# KiCad board panel.opm-inline.kicad_pcb (continued)
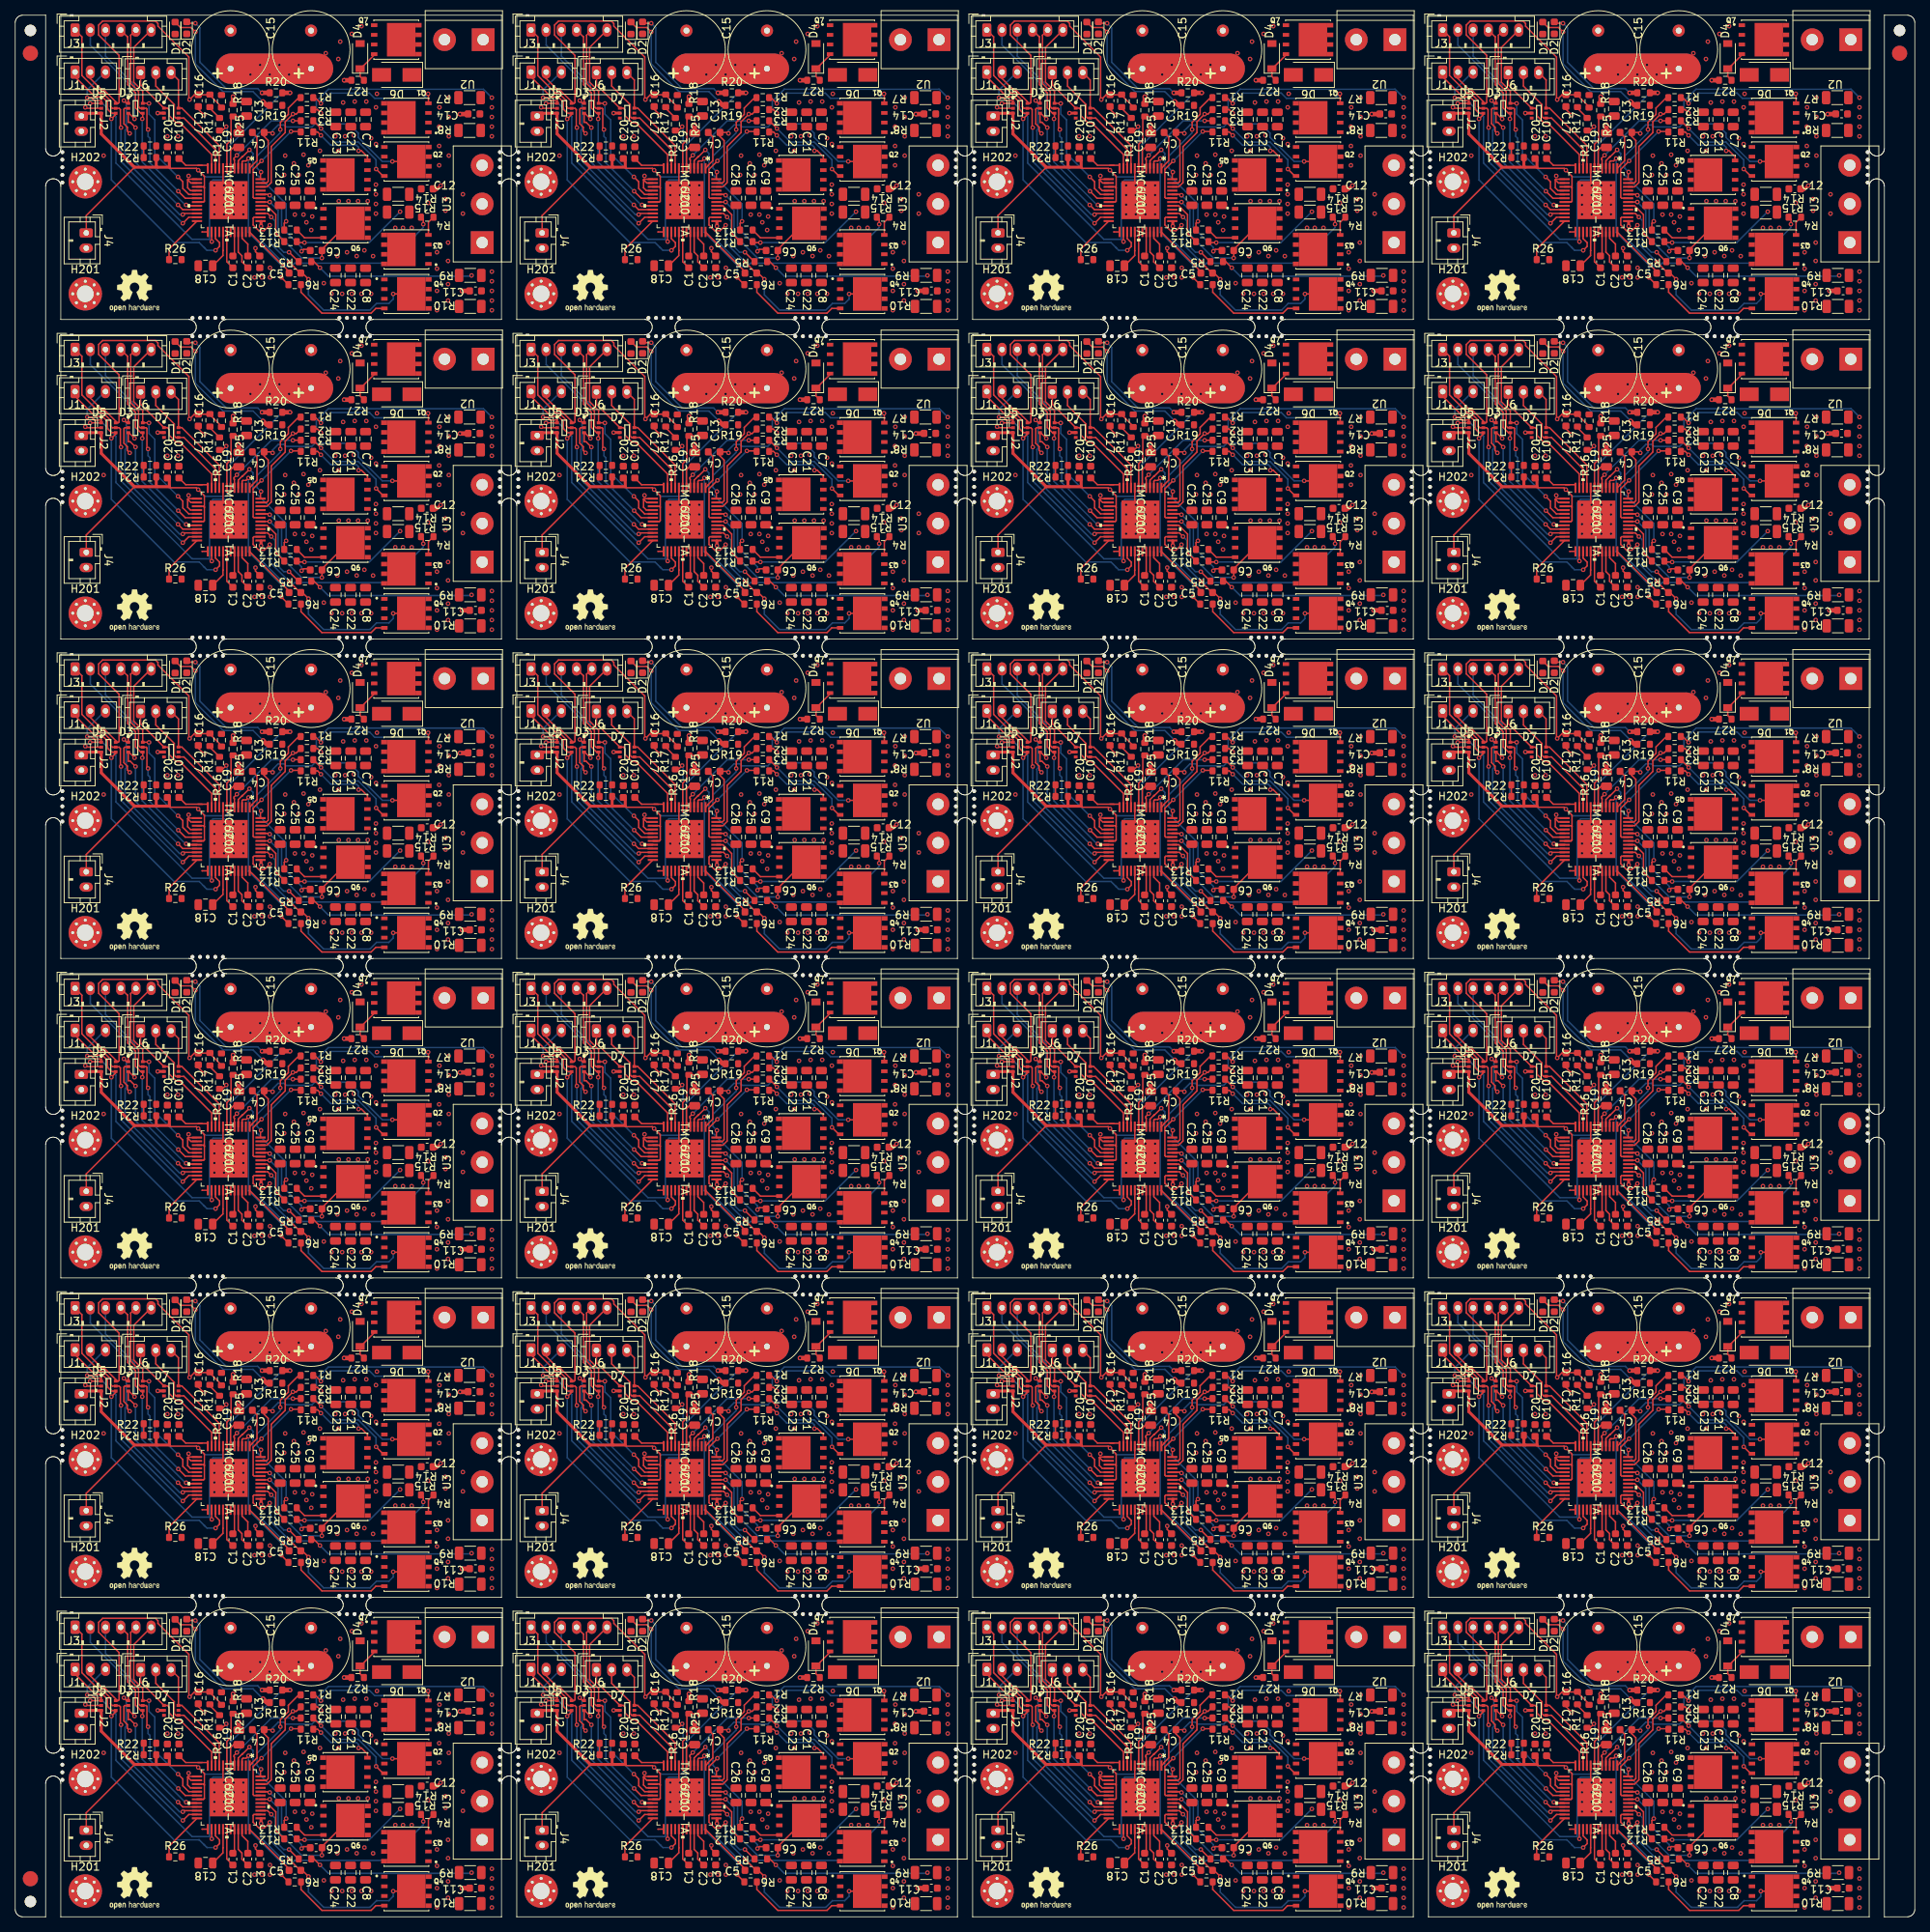
[diagram p0: board, top side]
## Nets (continued)
Board_1-/DRV_EN: D5#2.4 IC1#16.27 J1#15.1
Board_1-/FAULT: D5#2.1 IC1#16.26 J1#15.3 R20#19.2
Board_1-/Motor Driver/VOFS: C10#21.1 IC1#16.12
Board_1-/TEMP_PCB: C17#12.1 D5#2.6 J1#15.2 R17#7.2 R18#6.1
Board_1-/U: C14#4.1 R2#7.1 R7#6.1 R8#7.1 U3#22.3
Board_1-/UH: D3#16.6 IC1#16.17 J3#2.6
Board_1-/UL: D3#16.5 IC1#16.18 J3#2.5
Board_1-/V: C12#24.1 R12#5.1 R14#18.1 R15#22.1 U3#22.2
Board_1-/VH: D3#16.4 IC1#16.20 J3#2.4
Board_1-/VL: D3#16.3 IC1#16.21 J3#2.3
Board_1-/VSA: C18.1 IC1#16.29
Board_1-/W: C11#6.1 R5#22.1 R9#13.1 R10#3.1 U3#22.1
Board_1-/WH: D3#16.1 IC1#16.22 J3#2.2
Board_1-/WL: D5#2.5 IC1#16.23 J3#2.1
Board_1-GND: C3#6.2 C7#22.2 C8#3.2 C9#6.2 C10#21.2 C11#6.2 C12#24.2 C13.2 C14#4.2 C15#21.2 C16#16.2 C17#12.2 C18.2 C19#14.2 C20#7.2 C21#21.2 C22#10.2 C23#24.2 C24#16.2 C25#17.2 C26#10.2 D1#9.1 D2#22.1 D3#16.2 D5#2.2 D6#4.1 D7#21.2 H201#10.1 H202#13.1 IC1#16.8 IC1#16.13 IC1#16.14 IC1#16.16 IC1#16.25 IC1#16.EPAD J2#23.2 J4#18.2 Q2#22.1 Q2#22.2 Q2#22.3 Q4#24.1 Q4#24.2 Q4#24.3 Q6#9.1 Q6#9.2 Q6#9.3 R18#6.2 R22#4.2 R26#13.2 R27#13.2 U2#21.1
Board_1-Net-(C1-Pad1): C1#7.1 IC1#16.30
Board_1-Net-(C1-Pad2): C1#7.2 IC1#16.32
Board_1-Net-(C2-Pad2): C2#6.2 IC1#16.34
Board_1-Net-(C4-Pad1): C4#4.1 IC1#16.47 Q1#3.1 Q1#3.2 Q1#3.3 Q2#22.5 Q2#22.6 Q2#22.7 Q2#22.8 R7#6.2 R8#7.2
Board_1-Net-(C4-Pad2): C4#4.2 IC1#16.1
Board_1-Net-(C5-Pad1): C5#22.1 IC1#16.36
Board_1-Net-(C5-Pad2): C5#22.2 IC1#16.38 Q3#2.1 Q3#2.2 Q3#2.3 Q4#24.5 Q4#24.6 Q4#24.7 Q4#24.8 R9#13.2 R10#3.2
Board_1-Net-(C6-Pad1): C6#9.1 IC1#16.42 Q5#12.1 Q5#12.2 Q5#12.3 Q6#9.5 Q6#9.6 Q6#9.7 Q6#9.8 R14#18.2 R15#22.2
Board_1-Net-(C6-Pad2): C6#9.2 IC1#16.44
Board_1-Net-(D1-Pad2): D1#9.2 R19.1
Board_1-Net-(D2-Pad2): D2#22.2 R20#19.1
Board_1-Net-(D4-Pad1): D4#7.1 Q7#23.4 R27#13.1
Board_1-Net-(D6-Pad2): D6#4.2 Q7#23.5 Q7#23.6 Q7#23.7 Q7#23.8 U2#21.2
Board_1-Net-(IC1-Pad3): IC1#16.3 R6#21.2
Board_1-Net-(IC1-Pad4): IC1#16.4 R13#4.2
Board_1-Net-(IC1-Pad5): IC1#16.5 R3#8.2
Board_1-Net-(IC1-Pad24): IC1#16.24 R26#13.1
Board_1-Net-(IC1-Pad37): IC1#16.37 R4#11.2
Board_1-Net-(IC1-Pad39): IC1#16.39 R5#22.2
Board_1-Net-(IC1-Pad41): IC1#16.41 R12#5.2
Board_1-Net-(IC1-Pad43): IC1#16.43 R11#16.2
Board_1-Net-(IC1-Pad46): IC1#16.46 R2#7.2
Board_1-Net-(IC1-Pad48): IC1#16.48 R1#13.2
Board_1-Net-(Q1-Pad4): Q1#3.4 R1#13.1
Board_1-Net-(Q2-Pad4): Q2#22.4 R3#8.1
Board_1-Net-(Q3-Pad4): Q3#2.4 R4#11.1
Board_1-Net-(Q4-Pad4): Q4#24.4 R6#21.1
Board_1-Net-(Q5-Pad4): Q5#12.4 R11#16.1
Board_1-Net-(Q6-Pad4): Q6#9.4 R13#4.1
Board_1-Net-(R16-Pad2): R16#11.2 R17#7.1
Board_1-unconnected-(D7-Pad3): D7#21.3
Board_1-unconnected-(D7-Pad5): D7#21.5
Board_2-/+VM: C2#9.1 C3#8.1 C7#13.1 C8#11.1 C9#24.1 C15#12.1 C16#7.1 C21#9.1 C22#16.1 C23#22.1 C24#12.1 C25#8.1 C26#5.1 D4.2 IC1#11.33 Q1#22.5 Q1#22.6 Q1#22.7 Q1#22.8 Q3#8.5 Q3#8.6 Q3#8.7 Q3#8.8 Q5#17.5 Q5#17.6 Q5#17.7 Q5#17.8 Q7#7.1 Q7#7.2 Q7#7.3 R25#6.2
Board_2-/ADC_I_u: D7#18.6 IC1#11.9 J6#7.3
Board_2-/ADC_I_v: D7#18.4 IC1#11.10 J6#7.2
Board_2-/ADC_I_w: D7#18.1 IC1#11.11 J6#7.1
Board_2-/Connectors/VOFS: R21#7.2 R22#12.1
Board_2-/DRV_EN: D5#19.4 IC1#11.27 J1#13.1
Board_2-/FAULT: D5#19.1 IC1#11.26 J1#13.3 R20#3.2
Board_2-/Motor Driver/VOFS: C10#15.1 IC1#11.12
Board_2-/TEMP_PCB: C17#22.1 D5#19.6 J1#13.2 R17#2.2 R18#11.1
Board_2-/U: C14#3.1 R2#2.1 R7#12.1 R8#23.1 U3#10.3
Board_2-/UH: D3.6 IC1#11.17 J3#24.6
Board_2-/UL: D3.5 IC1#11.18 J3#24.5
Board_2-/V: C12#9.1 R12#6.1 R14#2.1 R15#21.1 U3#10.2
Board_2-/VH: D3.4 IC1#11.20 J3#24.4
Board_2-/VL: D3.3 IC1#11.21 J3#24.3
Board_2-/VSA: C18#17.1 IC1#11.29
Board_2-/W: C11#24.1 R5#9.1 R9#11.1 R10#20.1 U3#10.1
Board_2-/WH: D3.1 IC1#11.22 J3#24.2
Board_2-/WL: D5#19.5 IC1#11.23 J3#24.1
Board_2-GND: C3#8.2 C7#13.2 C8#11.2 C9#24.2 C10#15.2 C11#24.2 C12#9.2 C13#3.2 C14#3.2 C15#12.2 C16#7.2 C17#22.2 C18#17.2 C19#20.2 C20#16.2 C21#9.2 C22#16.2 C23#22.2 C24#12.2 C25#8.2 C26#5.2 D1#7.1 D2#12.1 D3.2 D5#19.2 D6.1 D7#18.2 H201#15.1 H202#18.1 IC1#11.8 IC1#11.13 IC1#11.14 IC1#11.16 IC1#11.25 IC1#11.EPAD J2#18.2 J4#7.2 Q2#13.1 Q2#13.2 Q2#13.3 Q4#9.1 Q4#9.2 Q4#9.3 Q6#4.1 Q6#4.2 Q6#4.3 R18#11.2 R22#12.2 R26#19.2 R27#16.2 U2#11.1
Board_2-Net-(C1-Pad1): C1#9.1 IC1#11.30
Board_2-Net-(C1-Pad2): C1#9.2 IC1#11.32
Board_2-Net-(C2-Pad2): C2#9.2 IC1#11.34
Board_2-Net-(C4-Pad1): C4#15.1 IC1#11.47 Q1#22.1 Q1#22.2 Q1#22.3 Q2#13.5 Q2#13.6 Q2#13.7 Q2#13.8 R7#12.2 R8#23.2
Board_2-Net-(C4-Pad2): C4#15.2 IC1#11.1
Board_2-Net-(C5-Pad1): C5#6.1 IC1#11.36
Board_2-Net-(C5-Pad2): C5#6.2 IC1#11.38 Q3#8.1 Q3#8.2 Q3#8.3 Q4#9.5 Q4#9.6 Q4#9.7 Q4#9.8 R9#11.2 R10#20.2
Board_2-Net-(C6-Pad1): C6#3.1 IC1#11.42 Q5#17.1 Q5#17.2 Q5#17.3 Q6#4.5 Q6#4.6 Q6#4.7 Q6#4.8 R14#2.2 R15#21.2
Board_2-Net-(C6-Pad2): C6#3.2 IC1#11.44
Board_2-Net-(D1-Pad2): D1#7.2 R19#6.1
Board_2-Net-(D2-Pad2): D2#12.2 R20#3.1
Board_2-Net-(D4-Pad1): D4.1 Q7#7.4 R27#16.1
Board_2-Net-(D6-Pad2): D6.2 Q7#7.5 Q7#7.6 Q7#7.7 Q7#7.8 U2#11.2
Board_2-Net-(IC1-Pad3): IC1#11.3 R6#23.2
Board_2-Net-(IC1-Pad4): IC1#11.4 R13#23.2
Board_2-Net-(IC1-Pad5): IC1#11.5 R3#21.2
Board_2-Net-(IC1-Pad24): IC1#11.24 R26#19.1
Board_2-Net-(IC1-Pad37): IC1#11.37 R4#14.2
Board_2-Net-(IC1-Pad39): IC1#11.39 R5#9.2
Board_2-Net-(IC1-Pad41): IC1#11.41 R12#6.2
Board_2-Net-(IC1-Pad43): IC1#11.43 R11#24.2
Board_2-Net-(IC1-Pad46): IC1#11.46 R2#2.2
Board_2-Net-(IC1-Pad48): IC1#11.48 R1#21.2
Board_2-Net-(Q1-Pad4): Q1#22.4 R1#21.1
Board_2-Net-(Q2-Pad4): Q2#13.4 R3#21.1
Board_2-Net-(Q3-Pad4): Q3#8.4 R4#14.1
Board_2-Net-(Q4-Pad4): Q4#9.4 R6#23.1
Board_2-Net-(Q5-Pad4): Q5#17.4 R11#24.1
Board_2-Net-(Q6-Pad4): Q6#4.4 R13#23.1
Board_2-Net-(R16-Pad2): R16#12.2 R17#2.1
Board_2-unconnected-(D7-Pad3): D7#18.3
Board_2-unconnected-(D7-Pad5): D7#18.5
Board_3-/+VM: C2#7.1 C3#22.1 C7#3.1 C8#19.1 C9#8.1 C15#3.1 C16#15.1 C21#2.1 C22.1 C23#3.1 C24#4.1 C25#12.1 C26#18.1 D4#9.2 IC1#10.33 Q1#19.5 Q1#19.6 Q1#19.7 Q1#19.8 Q3#23.5 Q3#23.6 Q3#23.7 Q3#23.8 Q5#23.5 Q5#23.6 Q5#23.7 Q5#23.8 Q7#17.1 Q7#17.2 Q7#17.3 R25#4.2
Board_3-/ADC_I_u: D7#3.6 IC1#10.9 J6#16.3
Board_3-/ADC_I_v: D7#3.4 IC1#10.10 J6#16.2
Board_3-/ADC_I_w: D7#3.1 IC1#10.11 J6#16.1
Board_3-/Connectors/VOFS: R21#18.2 R22#3.1
Board_3-/DRV_EN: D5#3.4 IC1#10.27 J1#5.1
Board_3-/FAULT: D5#3.1 IC1#10.26 J1#5.3 R20#20.2
Board_3-/Motor Driver/VOFS: C10#12.1 IC1#10.12
Board_3-/TEMP_PCB: C17#15.1 D5#3.6 J1#5.2 R17.2 R18#14.1
Board_3-/U: C14#15.1 R2#12.1 R7#9.1 R8#16.1 U3#12.3
Board_3-/UH: D3#5.6 IC1#10.17 J3#19.6
Board_3-/UL: D3#5.5 IC1#10.18 J3#19.5
Board_3-/V: C12#8.1 R12#20.1 R14#17.1 R15#18.1 U3#12.2
Board_3-/VH: D3#5.4 IC1#10.20 J3#19.4
Board_3-/VL: D3#5.3 IC1#10.21 J3#19.3
Board_3-/VSA: C18#6.1 IC1#10.29
Board_3-/W: C11#22.1 R5#8.1 R9#18.1 R10#23.1 U3#12.1
Board_3-/WH: D3#5.1 IC1#10.22 J3#19.2
Board_3-/WL: D5#3.5 IC1#10.23 J3#19.1
Board_3-GND: C3#22.2 C7#3.2 C8#19.2 C9#8.2 C10#12.2 C11#22.2 C12#8.2 C13#11.2 C14#15.2 C15#3.2 C16#15.2 C17#15.2 C18#6.2 C19#22.2 C20#8.2 C21#2.2 C22.2 C23#3.2 C24#4.2 C25#12.2 C26#18.2 D1#23.1 D2#5.1 D3#5.2 D5#3.2 D6#22.1 D7#3.2 H201#14.1 H202#16.1 IC1#10.8 IC1#10.13 IC1#10.14 IC1#10.16 IC1#10.25 IC1#10.EPAD J2#7.2 J4#16.2 Q2#19.1 Q2#19.2 Q2#19.3 Q4#4.1 Q4#4.2 Q4#4.3 Q6#5.1 Q6#5.2 Q6#5.3 R18#14.2 R22#3.2 R26#16.2 R27#5.2 U2#14.1
Board_3-Net-(C1-Pad1): C1#23.1 IC1#10.30
Board_3-Net-(C1-Pad2): C1#23.2 IC1#10.32
Board_3-Net-(C2-Pad2): C2#7.2 IC1#10.34
Board_3-Net-(C4-Pad1): C4#6.1 IC1#10.47 Q1#19.1 Q1#19.2 Q1#19.3 Q2#19.5 Q2#19.6 Q2#19.7 Q2#19.8 R7#9.2 R8#16.2
Board_3-Net-(C4-Pad2): C4#6.2 IC1#10.1
Board_3-Net-(C5-Pad1): C5#3.1 IC1#10.36
Board_3-Net-(C5-Pad2): C5#3.2 IC1#10.38 Q3#23.1 Q3#23.2 Q3#23.3 Q4#4.5 Q4#4.6 Q4#4.7 Q4#4.8 R9#18.2 R10#23.2
Board_3-Net-(C6-Pad1): C6#8.1 IC1#10.42 Q5#23.1 Q5#23.2 Q5#23.3 Q6#5.5 Q6#5.6 Q6#5.7 Q6#5.8 R14#17.2 R15#18.2
Board_3-Net-(C6-Pad2): C6#8.2 IC1#10.44
Board_3-Net-(D1-Pad2): D1#23.2 R19#3.1
Board_3-Net-(D2-Pad2): D2#5.2 R20#20.1
Board_3-Net-(D4-Pad1): D4#9.1 Q7#17.4 R27#5.1
Board_3-Net-(D6-Pad2): D6#22.2 Q7#17.5 Q7#17.6 Q7#17.7 Q7#17.8 U2#14.2
Board_3-Net-(IC1-Pad3): IC1#10.3 R6#19.2
Board_3-Net-(IC1-Pad4): IC1#10.4 R13#17.2
Board_3-Net-(IC1-Pad5): IC1#10.5 R3#4.2
Board_3-Net-(IC1-Pad24): IC1#10.24 R26#16.1
Board_3-Net-(IC1-Pad37): IC1#10.37 R4.2
Board_3-Net-(IC1-Pad39): IC1#10.39 R5#8.2
Board_3-Net-(IC1-Pad41): IC1#10.41 R12#20.2
Board_3-Net-(IC1-Pad43): IC1#10.43 R11#18.2
Board_3-Net-(IC1-Pad46): IC1#10.46 R2#12.2
Board_3-Net-(IC1-Pad48): IC1#10.48 R1#16.2
Board_3-Net-(Q1-Pad4): Q1#19.4 R1#16.1
Board_3-Net-(Q2-Pad4): Q2#19.4 R3#4.1
Board_3-Net-(Q3-Pad4): Q3#23.4 R4.1
Board_3-Net-(Q4-Pad4): Q4#4.4 R6#19.1
Board_3-Net-(Q5-Pad4): Q5#23.4 R11#18.1
Board_3-Net-(Q6-Pad4): Q6#5.4 R13#17.1
Board_3-Net-(R16-Pad2): R16#3.2 R17.1
Board_3-unconnected-(D7-Pad3): D7#3.3
Board_3-unconnected-(D7-Pad5): D7#3.5
Board_4-/+VM: C2#10.1 C3.1 C7#16.1 C8#24.1 C9#23.1 C15.1 C16#14.1 C21#22.1 C22#2.1 C23#6.1 C24#13.1 C25#20.1 C26#16.1 D4#22.2 IC1#12.33 Q1#10.5 Q1#10.6 Q1#10.7 Q1#10.8 Q3#12.5 Q3#12.6 Q3#12.7 Q3#12.8 Q5#2.5 Q5#2.6 Q5#2.7 Q5#2.8 Q7#13.1 Q7#13.2 Q7#13.3 R25#10.2
Board_4-/ADC_I_u: D7#12.6 IC1#12.9 J6#5.3
Board_4-/ADC_I_v: D7#12.4 IC1#12.10 J6#5.2
Board_4-/ADC_I_w: D7#12.1 IC1#12.11 J6#5.1
Board_4-/Connectors/VOFS: R21#17.2 R22#23.1
Board_4-/DRV_EN: D5#22.4 IC1#12.27 J1#7.1
Board_4-/FAULT: D5#22.1 IC1#12.26 J1#7.3 R20#7.2
Board_4-/Motor Driver/VOFS: C10#20.1 IC1#12.12
Board_4-/TEMP_PCB: C17#18.1 D5#22.6 J1#7.2 R17#14.2 R18#15.1
Board_4-/U: C14#24.1 R2#24.1 R7#3.1 R8#11.1 U3#24.3
Board_4-/UH: D3#3.6 IC1#12.17 J3#22.6
Board_4-/UL: D3#3.5 IC1#12.18 J3#22.5
Board_4-/V: C12#17.1 R12#10.1 R14#10.1 R15#7.1 U3#24.2
Board_4-/VH: D3#3.4 IC1#12.20 J3#22.4
Board_4-/VL: D3#3.3 IC1#12.21 J3#22.3
Board_4-/VSA: C18#23.1 IC1#12.29
Board_4-/W: C11#3.1 R5#11.1 R9#12.1 R10#24.1 U3#24.1
Board_4-/WH: D3#3.1 IC1#12.22 J3#22.2
Board_4-/WL: D5#22.5 IC1#12.23 J3#22.1
Board_4-GND: C3.2 C7#16.2 C8#24.2 C9#23.2 C10#20.2 C11#3.2 C12#17.2 C13#18.2 C14#24.2 C15.2 C16#14.2 C17#18.2 C18#23.2 C19#6.2 C20#15.2 C21#22.2 C22#2.2 C23#6.2 C24#13.2 C25#20.2 C26#16.2 D1#3.1 D2#17.1 D3#3.2 D5#22.2 D6#21.1 D7#12.2 H201#2.1 H202#21.1 IC1#12.8 IC1#12.13 IC1#12.14 IC1#12.16 IC1#12.25 IC1#12.EPAD J2#3.2 J4#17.2 Q2#20.1 Q2#20.2 Q2#20.3 Q4#23.1 Q4#23.2 Q4#23.3 Q6#15.1 Q6#15.2 Q6#15.3 R18#15.2 R22#23.2 R26.2 R27#8.2 U2#24.1
Board_4-Net-(C1-Pad1): C1.1 IC1#12.30
Board_4-Net-(C1-Pad2): C1.2 IC1#12.32
Board_4-Net-(C2-Pad2): C2#10.2 IC1#12.34
Board_4-Net-(C4-Pad1): C4#22.1 IC1#12.47 Q1#10.1 Q1#10.2 Q1#10.3 Q2#20.5 Q2#20.6 Q2#20.7 Q2#20.8 R7#3.2 R8#11.2
Board_4-Net-(C4-Pad2): C4#22.2 IC1#12.1
Board_4-Net-(C5-Pad1): C5.1 IC1#12.36
Board_4-Net-(C5-Pad2): C5.2 IC1#12.38 Q3#12.1 Q3#12.2 Q3#12.3 Q4#23.5 Q4#23.6 Q4#23.7 Q4#23.8 R9#12.2 R10#24.2
Board_4-Net-(C6-Pad1): C6#15.1 IC1#12.42 Q5#2.1 Q5#2.2 Q5#2.3 Q6#15.5 Q6#15.6 Q6#15.7 Q6#15.8 R14#10.2 R15#7.2
Board_4-Net-(C6-Pad2): C6#15.2 IC1#12.44
Board_4-Net-(D1-Pad2): D1#3.2 R19#22.1
Board_4-Net-(D2-Pad2): D2#17.2 R20#7.1
Board_4-Net-(D4-Pad1): D4#22.1 Q7#13.4 R27#8.1
Board_4-Net-(D6-Pad2): D6#21.2 Q7#13.5 Q7#13.6 Q7#13.7 Q7#13.8 U2#24.2
Board_4-Net-(IC1-Pad3): IC1#12.3 R6#10.2
Board_4-Net-(IC1-Pad4): IC1#12.4 R13#18.2
Board_4-Net-(IC1-Pad5): IC1#12.5 R3#15.2
Board_4-Net-(IC1-Pad24): IC1#12.24 R26.1
Board_4-Net-(IC1-Pad37): IC1#12.37 R4#9.2
Board_4-Net-(IC1-Pad39): IC1#12.39 R5#11.2
Board_4-Net-(IC1-Pad41): IC1#12.41 R12#10.2
Board_4-Net-(IC1-Pad43): IC1#12.43 R11#13.2
Board_4-Net-(IC1-Pad46): IC1#12.46 R2#24.2
Board_4-Net-(IC1-Pad48): IC1#12.48 R1#14.2
Board_4-Net-(Q1-Pad4): Q1#10.4 R1#14.1
Board_4-Net-(Q2-Pad4): Q2#20.4 R3#15.1
Board_4-Net-(Q3-Pad4): Q3#12.4 R4#9.1
Board_4-Net-(Q4-Pad4): Q4#23.4 R6#10.1
Board_4-Net-(Q5-Pad4): Q5#2.4 R11#13.1
Board_4-Net-(Q6-Pad4): Q6#15.4 R13#18.1
Board_4-Net-(R16-Pad2): R16.2 R17#14.1
Board_4-unconnected-(D7-Pad3): D7#12.3
Board_4-unconnected-(D7-Pad5): D7#12.5
Board_5-/+VM: C2#4.1 C3#10.1 C7#12.1 C8#6.1 C9#9.1 C15#16.1 C16.1 C21#14.1 C22#5.1 C23#13.1 C24#2.1 C25#10.1 C26#4.1 D4#18.2 IC1#7.33 Q1#2.5 Q1#2.6 Q1#2.7 Q1#2.8 Q3#16.5 Q3#16.6 Q3#16.7 Q3#16.8 Q5#7.5 Q5#7.6 Q5#7.7 Q5#7.8 Q7#18.1 Q7#18.2 Q7#18.3 R25#5.2
Board_5-/ADC_I_u: D7#4.6 IC1#7.9 J6#12.3
Board_5-/ADC_I_v: D7#4.4 IC1#7.10 J6#12.2
Board_5-/ADC_I_w: D7#4.1 IC1#7.11 J6#12.1
Board_5-/Connectors/VOFS: R21#5.2 R22#14.1
Board_5-/DRV_EN: D5#21.4 IC1#7.27 J1#14.1
Board_5-/FAULT: D5#21.1 IC1#7.26 J1#14.3 R20#11.2
Board_5-/Motor Driver/VOFS: C10#7.1 IC1#7.12
Board_5-/TEMP_PCB: C17#7.1 D5#21.6 J1#14.2 R17#24.2 R18#12.1
Board_5-/U: C14#19.1 R2#15.1 R7#4.1 R8#24.1 U3#7.3
Board_5-/UH: D3#22.6 IC1#7.17 J3#11.6
Board_5-/UL: D3#22.5 IC1#7.18 J3#11.5
Board_5-/V: C12#6.1 R12#19.1 R14#12.1 R15#8.1 U3#7.2
Board_5-/VH: D3#22.4 IC1#7.20 J3#11.4
Board_5-/VL: D3#22.3 IC1#7.21 J3#11.3
Board_5-/VSA: C18#21.1 IC1#7.29
Board_5-/W: C11#8.1 R5#7.1 R9#21.1 R10#5.1 U3#7.1
Board_5-/WH: D3#22.1 IC1#7.22 J3#11.2
Board_5-/WL: D5#21.5 IC1#7.23 J3#11.1
Board_5-GND: C3#10.2 C7#12.2 C8#6.2 C9#9.2 C10#7.2 C11#8.2 C12#6.2 C13#14.2 C14#19.2 C15#16.2 C16.2 C17#7.2 C18#21.2 C19#21.2 C20#22.2 C21#14.2 C22#5.2 C23#13.2 C24#2.2 C25#10.2 C26#4.2 D1#12.1 D2#11.1 D3#22.2 D5#21.2 D6#3.1 D7#4.2 H201#5.1 H202#3.1 IC1#7.8 IC1#7.13 IC1#7.14 IC1#7.16 IC1#7.25 IC1#7.EPAD J2#17.2 J4#15.2 Q2#24.1 Q2#24.2 Q2#24.3 Q4#11.1 Q4#11.2 Q4#11.3 Q6#2.1 Q6#2.2 Q6#2.3 R18#12.2 R22#14.2 R26#10.2 R27#15.2 U2#19.1
Board_5-Net-(C1-Pad1): C1#2.1 IC1#7.30
Board_5-Net-(C1-Pad2): C1#2.2 IC1#7.32
Board_5-Net-(C2-Pad2): C2#4.2 IC1#7.34
Board_5-Net-(C4-Pad1): C4#16.1 IC1#7.47 Q1#2.1 Q1#2.2 Q1#2.3 Q2#24.5 Q2#24.6 Q2#24.7 Q2#24.8 R7#4.2 R8#24.2
Board_5-Net-(C4-Pad2): C4#16.2 IC1#7.1
Board_5-Net-(C5-Pad1): C5#17.1 IC1#7.36
Board_5-Net-(C5-Pad2): C5#17.2 IC1#7.38 Q3#16.1 Q3#16.2 Q3#16.3 Q4#11.5 Q4#11.6 Q4#11.7 Q4#11.8 R9#21.2 R10#5.2
Board_5-Net-(C6-Pad1): C6#20.1 IC1#7.42 Q5#7.1 Q5#7.2 Q5#7.3 Q6#2.5 Q6#2.6 Q6#2.7 Q6#2.8 R14#12.2 R15#8.2
Board_5-Net-(C6-Pad2): C6#20.2 IC1#7.44
Board_5-Net-(D1-Pad2): D1#12.2 R19#16.1
Board_5-Net-(D2-Pad2): D2#11.2 R20#11.1
Board_5-Net-(D4-Pad1): D4#18.1 Q7#18.4 R27#15.1
Board_5-Net-(D6-Pad2): D6#3.2 Q7#18.5 Q7#18.6 Q7#18.7 Q7#18.8 U2#19.2
Board_5-Net-(IC1-Pad3): IC1#7.3 R6#9.2
Board_5-Net-(IC1-Pad4): IC1#7.4 R13#2.2
Board_5-Net-(IC1-Pad5): IC1#7.5 R3#2.2
Board_5-Net-(IC1-Pad24): IC1#7.24 R26#10.1
Board_5-Net-(IC1-Pad37): IC1#7.37 R4#21.2
Board_5-Net-(IC1-Pad39): IC1#7.39 R5#7.2
Board_5-Net-(IC1-Pad41): IC1#7.41 R12#19.2
Board_5-Net-(IC1-Pad43): IC1#7.43 R11#22.2
Board_5-Net-(IC1-Pad46): IC1#7.46 R2#15.2
Board_5-Net-(IC1-Pad48): IC1#7.48 R1#4.2
Board_5-Net-(Q1-Pad4): Q1#2.4 R1#4.1
Board_5-Net-(Q2-Pad4): Q2#24.4 R3#2.1
Board_5-Net-(Q3-Pad4): Q3#16.4 R4#21.1
Board_5-Net-(Q4-Pad4): Q4#11.4 R6#9.1
Board_5-Net-(Q5-Pad4): Q5#7.4 R11#22.1
Board_5-Net-(Q6-Pad4): Q6#2.4 R13#2.1
Board_5-Net-(R16-Pad2): R16#7.2 R17#24.1
Board_5-unconnected-(D7-Pad3): D7#4.3
Board_5-unconnected-(D7-Pad5): D7#4.5
Board_6-/+VM: C2#14.1 C3#4.1 C7#5.1 C8#10.1 C9#3.1 C15#19.1 C16#5.1 C21#3.1 C22#4.1 C23#14.1 C24#11.1 C25#11.1 C26#17.1 D4#15.2 IC1#5.33 Q1#24.5 Q1#24.6 Q1#24.7 Q1#24.8 Q3#5.5 Q3#5.6 Q3#5.7 Q3#5.8 Q5#18.5 Q5#18.6 Q5#18.7 Q5#18.8 Q7#24.1 Q7#24.2 Q7#24.3 R25#15.2
Board_6-/ADC_I_u: D7#6.6 IC1#5.9 J6#20.3
Board_6-/ADC_I_v: D7#6.4 IC1#5.10 J6#20.2
Board_6-/ADC_I_w: D7#6.1 IC1#5.11 J6#20.1
Board_6-/Connectors/VOFS: R21#21.2 R22#21.1
Board_6-/DRV_EN: D5#10.4 IC1#5.27 J1#18.1
Board_6-/FAULT: D5#10.1 IC1#5.26 J1#18.3 R20#5.2
Board_6-/Motor Driver/VOFS: C10#23.1 IC1#5.12
Board_6-/TEMP_PCB: C17#10.1 D5#10.6 J1#18.2 R17#18.2 R18#23.1
Board_6-/U: C14#9.1 R2#3.1 R7#15.1 R8#2.1 U3#14.3
Board_6-/UH: D3#23.6 IC1#5.17 J3#15.6
Board_6-/UL: D3#23.5 IC1#5.18 J3#15.5
Board_6-/V: C12#21.1 R12#21.1 R14#13.1 R15#13.1 U3#14.2
Board_6-/VH: D3#23.4 IC1#5.20 J3#15.4
Board_6-/VL: D3#23.3 IC1#5.21 J3#15.3
Board_6-/VSA: C18#15.1 IC1#5.29
Board_6-/W: C11#10.1 R5#15.1 R9#7.1 R10#14.1 U3#14.1
Board_6-/WH: D3#23.1 IC1#5.22 J3#15.2
Board_6-/WL: D5#10.5 IC1#5.23 J3#15.1
Board_6-GND: C3#4.2 C7#5.2 C8#10.2 C9#3.2 C10#23.2 C11#10.2 C12#21.2 C13#17.2 C14#9.2 C15#19.2 C16#5.2 C17#10.2 C18#15.2 C19#5.2 C20#20.2 C21#3.2 C22#4.2 C23#14.2 C24#11.2 C25#11.2 C26#17.2 D1#22.1 D2#10.1 D3#23.2 D5#10.2 D6#10.1 D7#6.2 H201.1 H202#2.1 IC1#5.8 IC1#5.13 IC1#5.14 IC1#5.16 IC1#5.25 IC1#5.EPAD J2#2.2 J4#21.2 Q2#4.1 Q2#4.2 Q2#4.3 Q4#17.1 Q4#17.2 Q4#17.3 Q6#17.1 Q6#17.2 Q6#17.3 R18#23.2 R22#21.2 R26#8.2 R27#6.2 U2#16.1
Board_6-Net-(C1-Pad1): C1#16.1 IC1#5.30
Board_6-Net-(C1-Pad2): C1#16.2 IC1#5.32
Board_6-Net-(C2-Pad2): C2#14.2 IC1#5.34
Board_6-Net-(C4-Pad1): C4#11.1 IC1#5.47 Q1#24.1 Q1#24.2 Q1#24.3 Q2#4.5 Q2#4.6 Q2#4.7 Q2#4.8 R7#15.2 R8#2.2
Board_6-Net-(C4-Pad2): C4#11.2 IC1#5.1
Board_6-Net-(C5-Pad1): C5#18.1 IC1#5.36
Board_6-Net-(C5-Pad2): C5#18.2 IC1#5.38 Q3#5.1 Q3#5.2 Q3#5.3 Q4#17.5 Q4#17.6 Q4#17.7 Q4#17.8 R9#7.2 R10#14.2
Board_6-Net-(C6-Pad1): C6#11.1 IC1#5.42 Q5#18.1 Q5#18.2 Q5#18.3 Q6#17.5 Q6#17.6 Q6#17.7 Q6#17.8 R14#13.2 R15#13.2
Board_6-Net-(C6-Pad2): C6#11.2 IC1#5.44
Board_6-Net-(D1-Pad2): D1#22.2 R19#11.1
Board_6-Net-(D2-Pad2): D2#10.2 R20#5.1
Board_6-Net-(D4-Pad1): D4#15.1 Q7#24.4 R27#6.1
Board_6-Net-(D6-Pad2): D6#10.2 Q7#24.5 Q7#24.6 Q7#24.7 Q7#24.8 U2#16.2
Board_6-Net-(IC1-Pad3): IC1#5.3 R6#8.2
Board_6-Net-(IC1-Pad4): IC1#5.4 R13#10.2
Board_6-Net-(IC1-Pad5): IC1#5.5 R3#22.2
Board_6-Net-(IC1-Pad24): IC1#5.24 R26#8.1
Board_6-Net-(IC1-Pad37): IC1#5.37 R4#20.2
Board_6-Net-(IC1-Pad39): IC1#5.39 R5#15.2
Board_6-Net-(IC1-Pad41): IC1#5.41 R12#21.2
Board_6-Net-(IC1-Pad43): IC1#5.43 R11#11.2
Board_6-Net-(IC1-Pad46): IC1#5.46 R2#3.2
Board_6-Net-(IC1-Pad48): IC1#5.48 R1#12.2
Board_6-Net-(Q1-Pad4): Q1#24.4 R1#12.1
Board_6-Net-(Q2-Pad4): Q2#4.4 R3#22.1
Board_6-Net-(Q3-Pad4): Q3#5.4 R4#20.1
Board_6-Net-(Q4-Pad4): Q4#17.4 R6#8.1
Board_6-Net-(Q5-Pad4): Q5#18.4 R11#11.1
Board_6-Net-(Q6-Pad4): Q6#17.4 R13#10.1
Board_6-Net-(R16-Pad2): R16#22.2 R17#18.1
Board_6-unconnected-(D7-Pad3): D7#6.3
Board_6-unconnected-(D7-Pad5): D7#6.5
Board_7-/+VM: C2#15.1 C3#12.1 C7#6.1 C8#20.1 C9#19.1 C15#4.1 C16#9.1 C21#8.1 C22#12.1 C23#9.1 C24#24.1 C25#21.1 C26#21.1 D4#20.2 IC1#6.33 Q1#13.5 Q1#13.6 Q1#13.7 Q1#13.8 Q3#22.5 Q3#22.6 Q3#22.7 Q3#22.8 Q5#5.5 Q5#5.6 Q5#5.7 Q5#5.8 Q7#11.1 Q7#11.2 Q7#11.3 R25#12.2
Board_7-/ADC_I_u: D7#13.6 IC1#6.9 J6#13.3
Board_7-/ADC_I_v: D7#13.4 IC1#6.10 J6#13.2
Board_7-/ADC_I_w: D7#13.1 IC1#6.11 J6#13.1
Board_7-/Connectors/VOFS: R21#3.2 R22.1
Board_7-/DRV_EN: D5#7.4 IC1#6.27 J1#19.1
Board_7-/FAULT: D5#7.1 IC1#6.26 J1#19.3 R20#8.2
Board_7-/Motor Driver/VOFS: C10#14.1 IC1#6.12
Board_7-/TEMP_PCB: C17#19.1 D5#7.6 J1#19.2 R17#8.2 R18#8.1
Board_7-/U: C14#8.1 R2#16.1 R7#13.1 R8#8.1 U3#16.3
Board_7-/UH: D3#17.6 IC1#6.17 J3#17.6
Board_7-/UL: D3#17.5 IC1#6.18 J3#17.5
Board_7-/V: C12#16.1 R12#23.1 R14#15.1 R15#14.1 U3#16.2
Board_7-/VH: D3#17.4 IC1#6.20 J3#17.4
Board_7-/VL: D3#17.3 IC1#6.21 J3#17.3
Board_7-/VSA: C18#3.1 IC1#6.29
Board_7-/W: C11#15.1 R5#24.1 R9#15.1 R10#7.1 U3#16.1
Board_7-/WH: D3#17.1 IC1#6.22 J3#17.2
Board_7-/WL: D5#7.5 IC1#6.23 J3#17.1
Board_7-GND: C3#12.2 C7#6.2 C8#20.2 C9#19.2 C10#14.2 C11#15.2 C12#16.2 C13#22.2 C14#8.2 C15#4.2 C16#9.2 C17#19.2 C18#3.2 C19#11.2 C20.2 C21#8.2 C22#12.2 C23#9.2 C24#24.2 C25#21.2 C26#21.2 D1#5.1 D2#20.1 D3#17.2 D5#7.2 D6#6.1 D7#13.2 H201#8.1 H202#12.1 IC1#6.8 IC1#6.13 IC1#6.14 IC1#6.16 IC1#6.25 IC1#6.EPAD J2#13.2 J4#14.2 Q2#7.1 Q2#7.2 Q2#7.3 Q4#5.1 Q4#5.2 Q4#5.3 Q6#8.1 Q6#8.2 Q6#8.3 R18#8.2 R22.2 R26#18.2 R27#3.2 U2#8.1
Board_7-Net-(C1-Pad1): C1#6.1 IC1#6.30
Board_7-Net-(C1-Pad2): C1#6.2 IC1#6.32
Board_7-Net-(C2-Pad2): C2#15.2 IC1#6.34
Board_7-Net-(C4-Pad1): C4#23.1 IC1#6.47 Q1#13.1 Q1#13.2 Q1#13.3 Q2#7.5 Q2#7.6 Q2#7.7 Q2#7.8 R7#13.2 R8#8.2
Board_7-Net-(C4-Pad2): C4#23.2 IC1#6.1
Board_7-Net-(C5-Pad1): C5#23.1 IC1#6.36
Board_7-Net-(C5-Pad2): C5#23.2 IC1#6.38 Q3#22.1 Q3#22.2 Q3#22.3 Q4#5.5 Q4#5.6 Q4#5.7 Q4#5.8 R9#15.2 R10#7.2
Board_7-Net-(C6-Pad1): C6#14.1 IC1#6.42 Q5#5.1 Q5#5.2 Q5#5.3 Q6#8.5 Q6#8.6 Q6#8.7 Q6#8.8 R14#15.2 R15#14.2
Board_7-Net-(C6-Pad2): C6#14.2 IC1#6.44
Board_7-Net-(D1-Pad2): D1#5.2 R19#17.1
Board_7-Net-(D2-Pad2): D2#20.2 R20#8.1
Board_7-Net-(D4-Pad1): D4#20.1 Q7#11.4 R27#3.1
Board_7-Net-(D6-Pad2): D6#6.2 Q7#11.5 Q7#11.6 Q7#11.7 Q7#11.8 U2#8.2
Board_7-Net-(IC1-Pad3): IC1#6.3 R6#7.2
Board_7-Net-(IC1-Pad4): IC1#6.4 R13#8.2
Board_7-Net-(IC1-Pad5): IC1#6.5 R3#7.2
Board_7-Net-(IC1-Pad24): IC1#6.24 R26#18.1
Board_7-Net-(IC1-Pad37): IC1#6.37 R4#8.2
Board_7-Net-(IC1-Pad39): IC1#6.39 R5#24.2
Board_7-Net-(IC1-Pad41): IC1#6.41 R12#23.2
Board_7-Net-(IC1-Pad43): IC1#6.43 R11#6.2
Board_7-Net-(IC1-Pad46): IC1#6.46 R2#16.2
Board_7-Net-(IC1-Pad48): IC1#6.48 R1#23.2
Board_7-Net-(Q1-Pad4): Q1#13.4 R1#23.1
Board_7-Net-(Q2-Pad4): Q2#7.4 R3#7.1
Board_7-Net-(Q3-Pad4): Q3#22.4 R4#8.1
Board_7-Net-(Q4-Pad4): Q4#5.4 R6#7.1
Board_7-Net-(Q5-Pad4): Q5#5.4 R11#6.1
Board_7-Net-(Q6-Pad4): Q6#8.4 R13#8.1
Board_7-Net-(R16-Pad2): R16#20.2 R17#8.1
Board_7-unconnected-(D7-Pad3): D7#13.3
Board_7-unconnected-(D7-Pad5): D7#13.5
Board_8-/+VM: C2#8.1 C3#18.1 C7#15.1 C8#14.1 C9#18.1 C15#9.1 C16#13.1 C21#11.1 C22#6.1 C23.1 C24#22.1 C25#14.1 C26#12.1 D4#5.2 IC1#23.33 Q1#8.5 Q1#8.6 Q1#8.7 Q1#8.8 Q3#17.5 Q3#17.6 Q3#17.7 Q3#17.8 Q5#3.5 Q5#3.6 Q5#3.7 Q5#3.8 Q7#14.1 Q7#14.2 Q7#14.3 R25#8.2
Board_8-/ADC_I_u: D7#16.6 IC1#23.9 J6#14.3
Board_8-/ADC_I_v: D7#16.4 IC1#23.10 J6#14.2
Board_8-/ADC_I_w: D7#16.1 IC1#23.11 J6#14.1
Board_8-/Connectors/VOFS: R21#24.2 R22#16.1
Board_8-/DRV_EN: D5#24.4 IC1#23.27 J1#11.1
Board_8-/FAULT: D5#24.1 IC1#23.26 J1#11.3 R20#13.2
Board_8-/Motor Driver/VOFS: C10.1 IC1#23.12
Board_8-/TEMP_PCB: C17.1 D5#24.6 J1#11.2 R17#9.2 R18#13.1
Board_8-/U: C14#2.1 R2#22.1 R7#5.1 R8#14.1 U3#13.3
Board_8-/UH: D3#8.6 IC1#23.17 J3#16.6
Board_8-/UL: D3#8.5 IC1#23.18 J3#16.5
Board_8-/V: C12.1 R12#12.1 R14#3.1 R15#4.1 U3#13.2
Board_8-/VH: D3#8.4 IC1#23.20 J3#16.4
Board_8-/VL: D3#8.3 IC1#23.21 J3#16.3
Board_8-/VSA: C18#20.1 IC1#23.29
Board_8-/W: C11#23.1 R5#2.1 R9#17.1 R10#21.1 U3#13.1
Board_8-/WH: D3#8.1 IC1#23.22 J3#16.2
Board_8-/WL: D5#24.5 IC1#23.23 J3#16.1
Board_8-GND: C3#18.2 C7#15.2 C8#14.2 C9#18.2 C10.2 C11#23.2 C12.2 C13#4.2 C14#2.2 C15#9.2 C16#13.2 C17.2 C18#20.2 C19#3.2 C20#3.2 C21#11.2 C22#6.2 C23.2 C24#22.2 C25#14.2 C26#12.2 D1#13.1 D2#6.1 D3#8.2 D5#24.2 D6#5.1 D7#16.2 H201#17.1 H202#20.1 IC1#23.8 IC1#23.13 IC1#23.14 IC1#23.16 IC1#23.25 IC1#23.EPAD J2#15.2 J4#3.2 Q2#23.1 Q2#23.2 Q2#23.3 Q4#22.1 Q4#22.2 Q4#22.3 Q6#6.1 Q6#6.2 Q6#6.3 R18#13.2 R22#16.2 R26#5.2 R27#7.2 U2#22.1
Board_8-Net-(C1-Pad1): C1#22.1 IC1#23.30
Board_8-Net-(C1-Pad2): C1#22.2 IC1#23.32
Board_8-Net-(C2-Pad2): C2#8.2 IC1#23.34
Board_8-Net-(C4-Pad1): C4#17.1 IC1#23.47 Q1#8.1 Q1#8.2 Q1#8.3 Q2#23.5 Q2#23.6 Q2#23.7 Q2#23.8 R7#5.2 R8#14.2
Board_8-Net-(C4-Pad2): C4#17.2 IC1#23.1
Board_8-Net-(C5-Pad1): C5#11.1 IC1#23.36
Board_8-Net-(C5-Pad2): C5#11.2 IC1#23.38 Q3#17.1 Q3#17.2 Q3#17.3 Q4#22.5 Q4#22.6 Q4#22.7 Q4#22.8 R9#17.2 R10#21.2
Board_8-Net-(C6-Pad1): C6#24.1 IC1#23.42 Q5#3.1 Q5#3.2 Q5#3.3 Q6#6.5 Q6#6.6 Q6#6.7 Q6#6.8 R14#3.2 R15#4.2
Board_8-Net-(C6-Pad2): C6#24.2 IC1#23.44
Board_8-Net-(D1-Pad2): D1#13.2 R19#15.1
Board_8-Net-(D2-Pad2): D2#6.2 R20#13.1
Board_8-Net-(D4-Pad1): D4#5.1 Q7#14.4 R27#7.1
Board_8-Net-(D6-Pad2): D6#5.2 Q7#14.5 Q7#14.6 Q7#14.7 Q7#14.8 U2#22.2
Board_8-Net-(IC1-Pad3): IC1#23.3 R6#17.2
Board_8-Net-(IC1-Pad4): IC1#23.4 R13.2
Board_8-Net-(IC1-Pad5): IC1#23.5 R3#5.2
Board_8-Net-(IC1-Pad24): IC1#23.24 R26#5.1
Board_8-Net-(IC1-Pad37): IC1#23.37 R4#12.2
Board_8-Net-(IC1-Pad39): IC1#23.39 R5#2.2
Board_8-Net-(IC1-Pad41): IC1#23.41 R12#12.2
Board_8-Net-(IC1-Pad43): IC1#23.43 R11#3.2
Board_8-Net-(IC1-Pad46): IC1#23.46 R2#22.2
Board_8-Net-(IC1-Pad48): IC1#23.48 R1#10.2
Board_8-Net-(Q1-Pad4): Q1#8.4 R1#10.1
Board_8-Net-(Q2-Pad4): Q2#23.4 R3#5.1
Board_8-Net-(Q3-Pad4): Q3#17.4 R4#12.1
Board_8-Net-(Q4-Pad4): Q4#22.4 R6#17.1
Board_8-Net-(Q5-Pad4): Q5#3.4 R11#3.1
Board_8-Net-(Q6-Pad4): Q6#6.4 R13.1
Board_8-Net-(R16-Pad2): R16#6.2 R17#9.1
Board_8-unconnected-(D7-Pad3): D7#16.3
Board_8-unconnected-(D7-Pad5): D7#16.5
Board_9-/+VM: C2#5.1 C3#5.1 C7#4.1 C8#15.1 C9#12.1 C15#17.1 C16#17.1 C21.1 C22#8.1 C23#23.1 C24.1 C25#3.1 C26#2.1 D4#4.2 IC1#13.33 Q1#16.5 Q1#16.6 Q1#16.7 Q1#16.8 Q3#21.5 Q3#21.6 Q3#21.7 Q3#21.8 Q5#8.5 Q5#8.6 Q5#8.7 Q5#8.8 Q7#2.1 Q7#2.2 Q7#2.3 R25#24.2
Board_9-/ADC_I_u: D7#2.6 IC1#13.9 J6#22.3
Board_9-/ADC_I_v: D7#2.4 IC1#13.10 J6#22.2
Board_9-/ADC_I_w: D7#2.1 IC1#13.11 J6#22.1
Board_9-/Connectors/VOFS: R21#14.2 R22#19.1
Board_9-/DRV_EN: D5#6.4 IC1#13.27 J1.1
Board_9-/FAULT: D5#6.1 IC1#13.26 J1.3 R20#12.2
Board_9-/Motor Driver/VOFS: C10#3.1 IC1#13.12
Board_9-/TEMP_PCB: C17#21.1 D5#6.6 J1.2 R17#15.2 R18#18.1
Board_9-/U: C14#17.1 R2#23.1 R7#10.1 R8#19.1 U3#23.3
Board_9-/UH: D3#13.6 IC1#13.17 J3#23.6
Board_9-/UL: D3#13.5 IC1#13.18 J3#23.5
Board_9-/V: C12#7.1 R12#9.1 R14#14.1 R15#2.1 U3#23.2
Board_9-/VH: D3#13.4 IC1#13.20 J3#23.4
Board_9-/VL: D3#13.3 IC1#13.21 J3#23.3
Board_9-/VSA: C18#10.1 IC1#13.29
Board_9-/W: C11#14.1 R5#3.1 R9#23.1 R10#18.1 U3#23.1
Board_9-/WH: D3#13.1 IC1#13.22 J3#23.2
Board_9-/WL: D5#6.5 IC1#13.23 J3#23.1
Board_9-GND: C3#5.2 C7#4.2 C8#15.2 C9#12.2 C10#3.2 C11#14.2 C12#7.2 C13#9.2 C14#17.2 C15#17.2 C16#17.2 C17#21.2 C18#10.2 C19#13.2 C20#9.2 C21.2 C22#8.2 C23#23.2 C24.2 C25#3.2 C26#2.2 D1#21.1 D2#9.1 D3#13.2 D5#6.2 D6#17.1 D7#2.2 H201#23.1 H202#8.1 IC1#13.8 IC1#13.13 IC1#13.14 IC1#13.16 IC1#13.25 IC1#13.EPAD J2#20.2 J4#13.2 Q2#10.1 Q2#10.2 Q2#10.3 Q4#14.1 Q4#14.2 Q4#14.3 Q6#20.1 Q6#20.2 Q6#20.3 R18#18.2 R22#19.2 R26#6.2 R27#22.2 U2#2.1